# Altium PCB PowerBoard.PcbDoc (part 1 of 2) (continued)
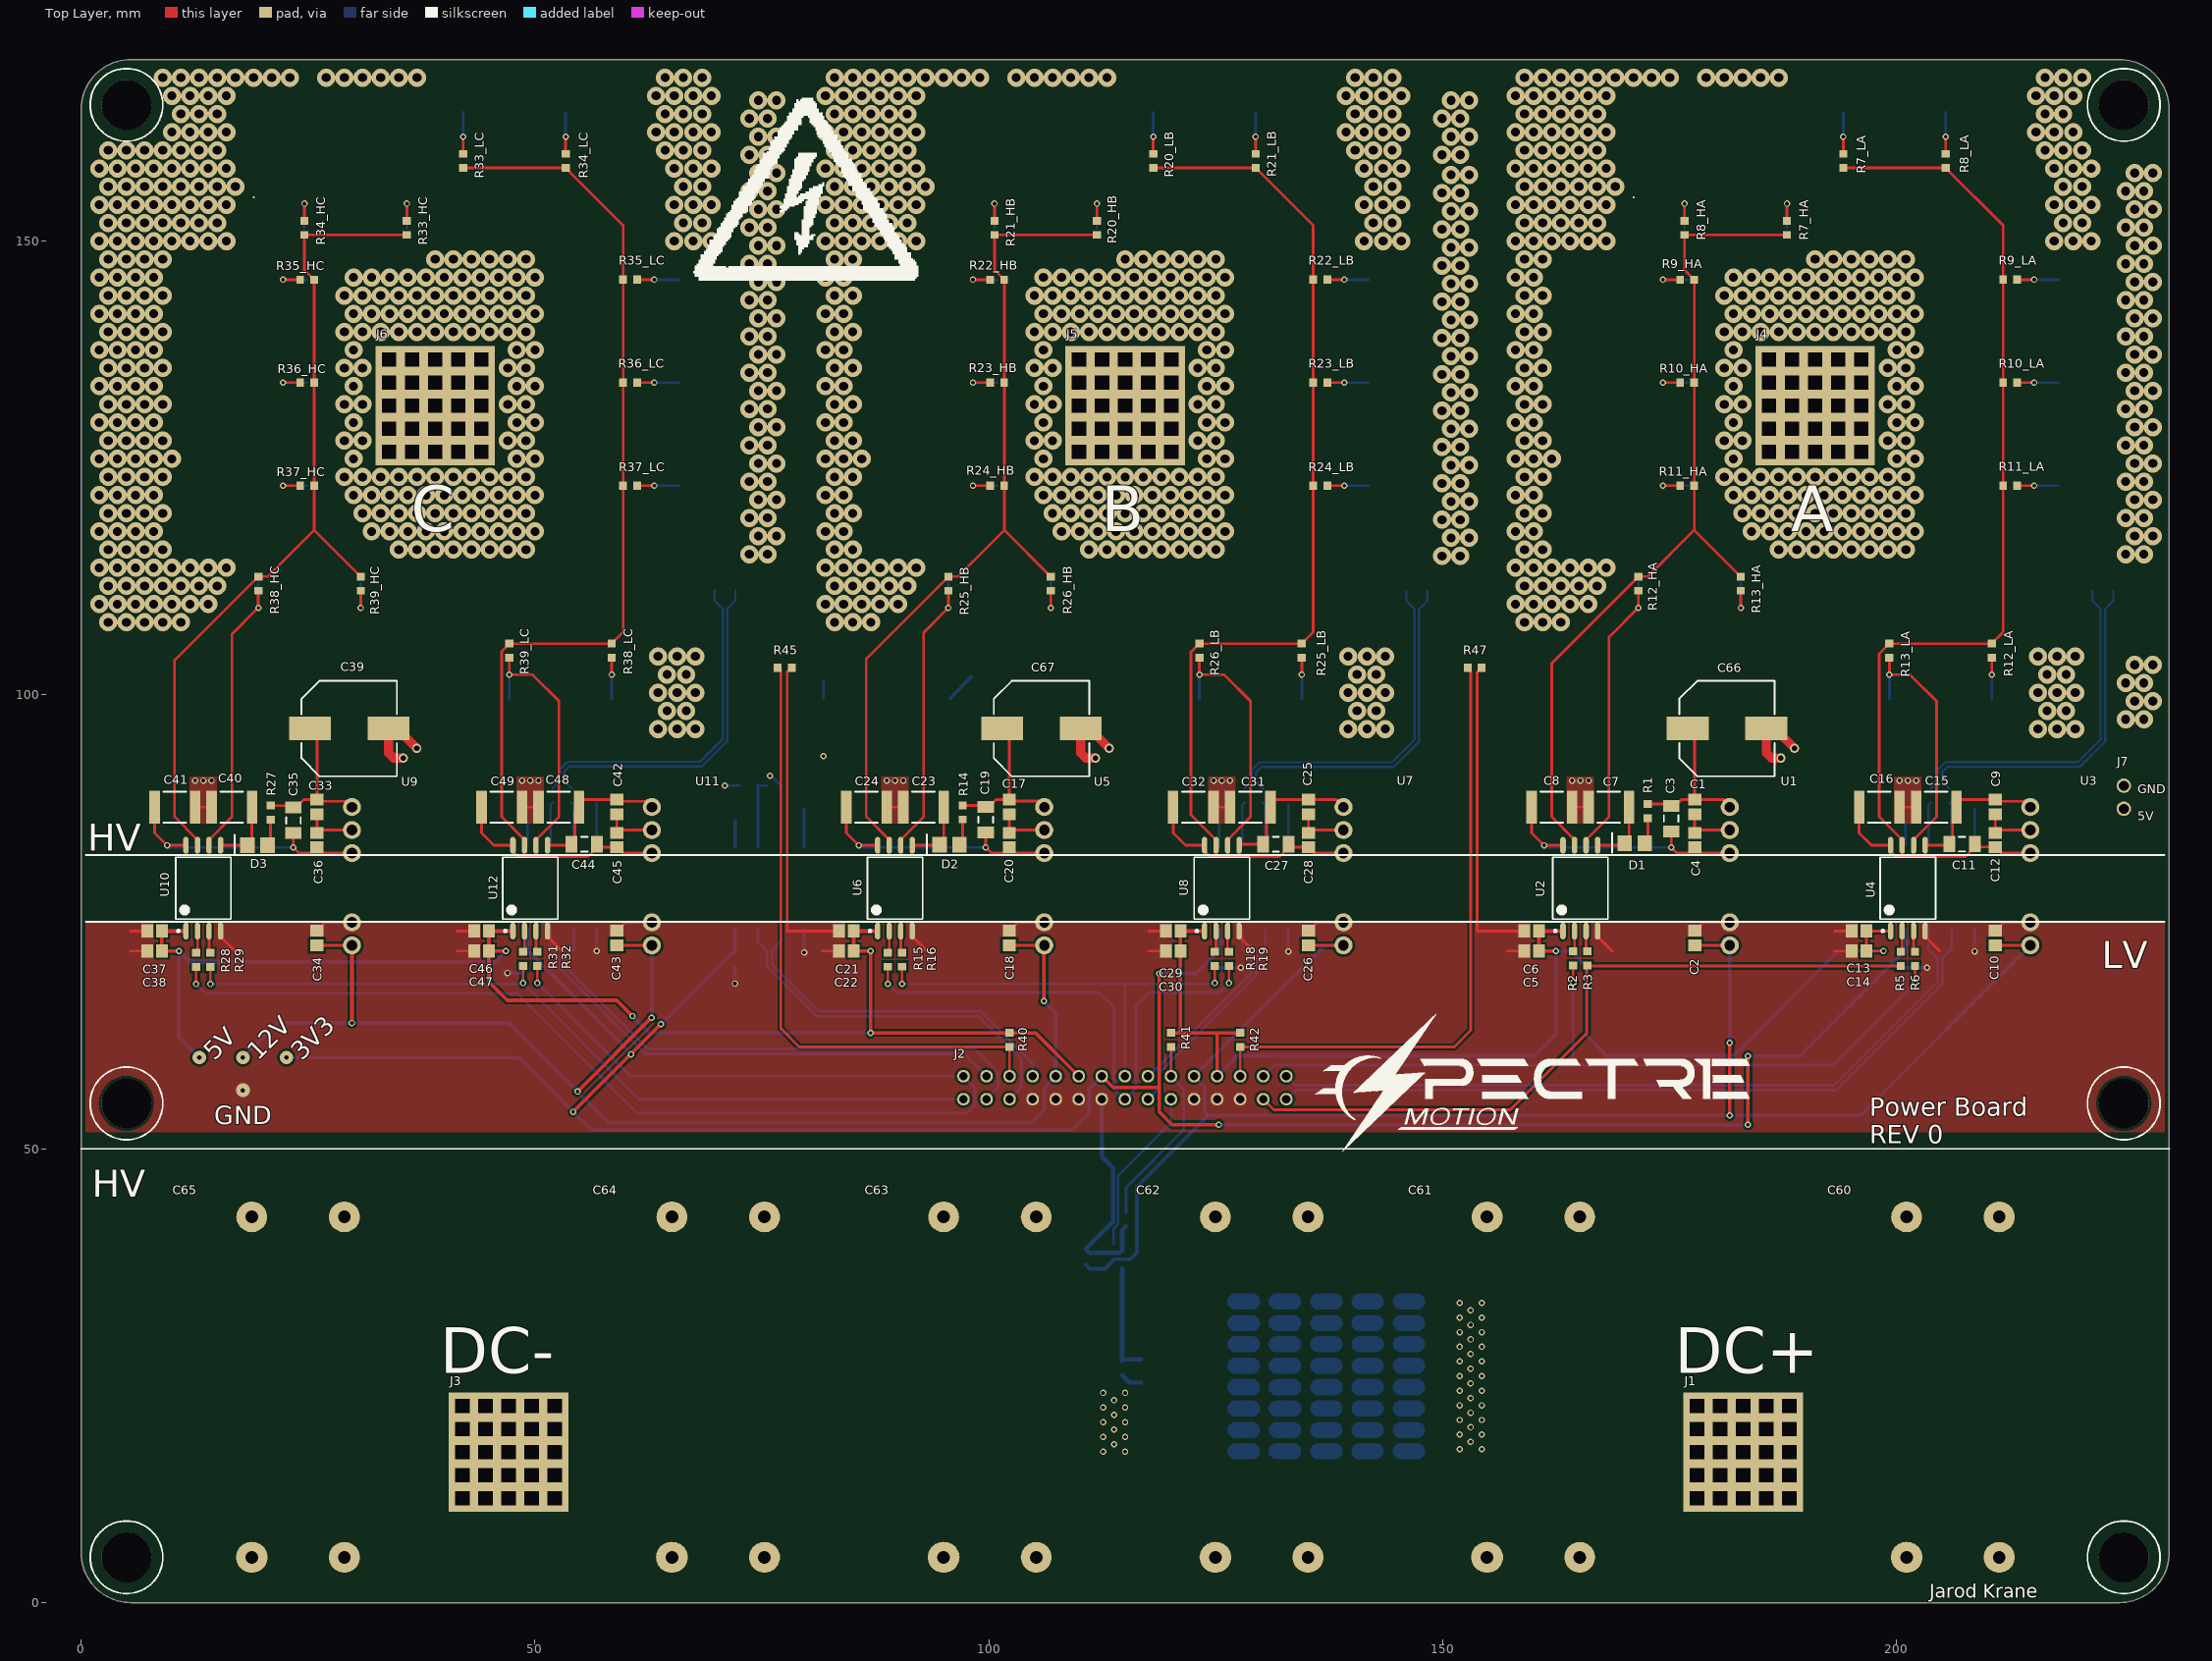
[diagram p0: Top Layer view]
## Part data (continued)
Q1_HA Q1_LA Q2_HA Q2_LA Q3_HA Q3_LA Q4_HA Q4_LA Q5_HA Q5_LA Q6_HA Q6_LA Q7_HA Q7_LA Q8_HB Q8_LB Q9_HB Q9_LB Q10_HB Q10_LB Q11_HB Q11_LB Q12_HB Q12_LB Q13_HB Q13_LB Q14_HB Q14_LB Q15_HC Q15_LC Q16_HC Q16_LC Q17_HC Q17_LC Q18_HC Q18_LC Q19_HC Q19_LC Q20_HC Q20_LC Q21_HC Q21_LC: "IGBT 600V 60A 258W D2PAK", Case/Package=TO-263-3, Collector Emitter Breakdown Voltage=600V, Collector Emitter Saturation Voltage=1.85V, Manufacturer=STMicroelectronics, Max Collector Current=60A, Max Operating Temperature=175°C, Max Power Dissipation=258W, Min Operating Temperature=-55°C, Package Quantity=1000, Supplier Part Number 1=497-15120-6-ND, Collector Emitter Voltage (VCEO)=600V, ComponentLink1Description=http://www.st.com/content/ccc/resource/technical/document/datasheet/14/ad/1c/bd/db/a9/4a/fc/DM00079435.pdf/files/DM00079435.pdf/jcr:content/translations/en.DM00079435.pdf?src-supplier=Digi-Key, ComponentLink1URL=http://www.st.com/content/ccc/resource/technical/document/datasheet/14/ad/1c/bd/db/a9/4a/fc/DM00079435.pdf/files/DM00079435.pdf/jcr:content/translations/en.DM00079435.pdf?src-supplier=Digi-Key, ComponentLink2Description=http://www.mouser.com/ds/2/389/stgb30v60df-956007.pdf?src-supplier=Mouser, ComponentLink2URL=http://www.mouser.com/ds/2/389/stgb30v60df-956007.pdf?src-supplier=Mouser, ComponentLink3Description=http://www.st.com/st-web-ui/static/active/en/resource/technical/document/datasheet/DM00079435.pdf?src-supplier=Avnet, ComponentLink3URL=http://www.st.com/st-web-ui/static/active/en/resource/technical/document/datasheet/DM00079435.pdf?src-supplier=Avnet, ComponentLink4Description=http://components.arrow.com/part/dataview/0323_06933392?src-supplier=Arrow+Europe, ComponentLink4URL=http://components.arrow.com/part/dataview/0323_06933392?src-supplier=Arrow+Europe, Element Configuration=Single, Manufacturer Part Number=STGB30V60DF, Max Breakdown Voltage=600V, Mount="Surface Mount", Packaging="Tape and Reel", Pricing 1="1=2.43, 10=2.015, 25=1.9496, 100=1.604, 500=1.358 (USD)", Reverse Recovery Time=53ns, RoHS Compliant=Yes, Stock 1=916, Supplier 1=Digi-Key, Weight=0.079014oz
Q22: "MOSFET N-CH 600V 6.5A POWERFLAT", Continuous Drain Current (ID)=6.5A, Drain to Source Voltage (Vdss)=600V, Input Capacitance=538pF, Manufacturer=STMicroelectronics, Max Operating Temperature=150°C, Max Power Dissipation=52W, Min Operating Temperature=-55°C, Supplier Part Number 1=497-16039-6-ND, ComponentLink1Description=http://www.st.com/content/ccc/resource/technical/document/datasheet/65/14/17/85/17/67/44/ac/DM00187264.pdf/files/DM00187264.pdf/jcr:content/translations/en.DM00187264.pdf?src-supplier=Digi-Key, ComponentLink1URL=http://www.st.com/content/ccc/resource/technical/document/datasheet/65/14/17/85/17/67/44/ac/DM00187264.pdf/files/DM00187264.pdf/jcr:content/translations/en.DM00187264.pdf?src-supplier=Digi-Key, ComponentLink2Description=http://www.mouser.com/ds/2/389/stl12n60m2-956130.pdf?src-supplier=Mouser, ComponentLink2URL=http://www.mouser.com/ds/2/389/stl12n60m2-956130.pdf?src-supplier=Mouser, Manufacturer Part Number=STL12N60M2, Mount="Surface Mount", Number of Pins=8, Packaging="Tape and Reel", Pricing 1="1=1.67, 10=1.491, 25=1.4156, 100=1.1628, 500=0.96056, 1000=0.8043 (USD)", Rds On Max=495mR, Stock 1=2323, Supplier 1=Digi-Key
R1 R7_HA R7_LA R8_HA R8_LA R9_HA R9_LA R10_HA R10_LA R11_HA R11_LA R12_HA R12_LA R13_HA R13_LA R14 R20_HB R20_LB R21_HB R21_LB R22_HB R22_LB R23_HB R23_LB R24_HB R24_LB R25_HB R25_LB R26_HB R26_LB R27 R33_HC R33_LC R34_HC R34_LC R35_HC R35_LC R36_HC R36_LC R37_HC R37_LC R38_HC R38_LC R39_HC R39_LC R102 R103 R104 R105 R106 R107: library part 0603-10R, "RES SMD 10 OHM 1% 1/10W 0603", Case/Package=0603, Case Code (Metric)=1608, Manufacturer=Yageo, Manufacturer Part Number=RC0603FR-0710RL, Max Operating Temperature=155°C, Min Operating Temperature=-55°C, Power Rating=100mW, Supplier Part Number 1=311-10.0HRDKR-ND, Temperature Coefficient=200ppm/°C, Tolerance=1%, Voltage Rating=50V, Case Code (Imperial)=0603, ComponentLink1Description=http://www.farnell.com/datasheets/1868787.pdf?src-supplier=Element14, ComponentLink1URL=http://www.farnell.com/datasheets/1868787.pdf?src-supplier=Element14, ComponentLink2Description=http://www.yageo.com/documents/recent/PYu-RC0603_51_RoHS_L_4.pdf?src-supplier=Avnet, ComponentLink2URL=http://www.yageo.com/documents/recent/PYu-RC0603_51_RoHS_L_4.pdf?src-supplier=Avnet, ComponentLink3Description=http://documents.rs-components.com/techlib://itc_doclist_GB.htm?stockno=5048984&src-supplier=RSComponents, ComponentLink3URL=http://documents.rs-components.com/techlib://itc_doclist_GB.htm?stockno=5048984&src-supplier=RSComponents, ComponentLink4Description=http://www.yageo.com/documents/recent/PYu-RC0603_51_RoHS_L_4.pdf?src-supplier=Avnet+Europe, ComponentLink4URL=http://www.yageo.com/documents/recent/PYu-RC0603_51_RoHS_L_4.pdf?src-supplier=Avnet+Europe, Composition="Thick Film", Contact Plating=Tin,Matte, Depth=0.8mm, Height=0.45mm, Lead Free="Lead Free", Length=1.6mm, Military Standard=Not, Number of Pins=2, Packaging="Tape and Reel", Pricing 1="1=0.1, 10=0.046, 100=0.0187, 1000=0.0084, 2500=0.00729 (USD)", Radiation Hardening=No, REACH SVHC="No SVHC", Resistance=10R, Stock 1=11151092, Supplier 1=Digi-Key, Termination=SMD/SMT, Voltage Rating (DC)=50V, Width=0.8mm
R2 R3 R5 R6 R15 R16 R18 R19 R28 R29 R31 R32: library part 0603-120R, "RES SMD 120 OHM 1% 1/10W 0603", Case/Package=0603, Case Code (Metric)=1608, Manufacturer=Yageo, Manufacturer Part Number=RC0603FR-07120RL, Max Operating Temperature=155°C, Max Power Dissipation=100mW, Min Operating Temperature=-55°C, Package Quantity=1, Supplier Part Number 1=311-120HRDKR-ND, Temperature Coefficient=100ppm/°C, Tolerance=1%, Voltage Rating=50V, Case Code (Imperial)=0603, ComponentLink1Description=http://www.yageo.com/documents/recent/PYu-RC_Group_51_RoHS_L_10.pdf?src-supplier=Digi-Key, ComponentLink1URL=http://www.yageo.com/documents/recent/PYu-RC_Group_51_RoHS_L_10.pdf?src-supplier=Digi-Key, ComponentLink2Description=http://www.farnell.com/datasheets/2167052.pdf?src-supplier=Element14, ComponentLink2URL=http://www.farnell.com/datasheets/2167052.pdf?src-supplier=Element14, ComponentLink3Description=http://www.farnell.com/datasheets/1868787.pdf?src-supplier=Element14, ComponentLink3URL=http://www.farnell.com/datasheets/1868787.pdf?src-supplier=Element14, ComponentLink4Description=http://www.farnell.com/datasheets/443971.pdf?src-supplier=Element14, ComponentLink4URL=http://www.farnell.com/datasheets/443971.pdf?src-supplier=Element14, Composition="Thick Film", Depth=0.8mm, Features="Moisture Resistant", Height=0.022inch, Lead Free="Lead Free", Length=1.6mm, Military Standard=Not, Number of Pins=2, Number of Terminations=2, Packaging="Tape and Reel", Power Rating=100mW, Pricing 1="1=0.1, 10=0.023, 100=0.0094, 1000=0.00421, 2500=0.00366 (USD)", REACH SVHC="No SVHC", Resistance=120R, Stock 1=1047274, Supplier 1=Digi-Key, Termination=SMD/SMT, Voltage Rating (DC)=50V, Width=0.031inch
R4 R17 R30: library part 3920-200uR-SHUNT, "RES SMD 200 UOHM 1% 12W 3920", Manufacturer=Bourns, Manufacturer Part Number=CSS2H-3920R-L200FE, Power=12W, Supplier Part Number 1=CSS2H-3920R-L200FEDKR-ND, ComponentLink1Description=https://www.bourns.com/docs/Product-Datasheets/css2h-3920.pdf?src-supplier=Digi-Key, ComponentLink1URL=https://www.bourns.com/docs/Product-Datasheets/css2h-3920.pdf?src-supplier=Digi-Key, Pricing 1="1=1.6, 10=1.42, 25=1.3052, 50=1.1908, 100=1.0305, 250=0.8702, 500=0.7328 (USD)", RoHS Compliant=Yes, Stock 1=420, Supplier 1=Digi-Key
R40 R41 R42 R60: library part 0603-10KR, "RES SMD 10K OHM 5% 1/10W 0603", Case/Package=0603, Case Code (Metric)=1608, Manufacturer=Yageo, Manufacturer Part Number=RC0603JR-0710KL, Max Operating Temperature=155°C, Max Power Dissipation=100mW, Min Operating Temperature=-55°C, Resistance=10kR, Supplier Part Number 1=311-10KGRDKR-ND, Temperature Coefficient=100ppm/°C, Tolerance=5%, Voltage Rating=50V, Case Code (Imperial)=0603, ComponentLink1Description=http://www.yageo.com/documents/recent/PYu-RC_Group_51_RoHS_L_10.pdf?src-supplier=Digi-Key, ComponentLink1URL=http://www.yageo.com/documents/recent/PYu-RC_Group_51_RoHS_L_10.pdf?src-supplier=Digi-Key, Composition="Thick Film", Contact Plating=Tin,Matte, Depth=0.8mm, Features="Moisture Resistant", Height - Seated (Max)=0.022inch, Lead Free="Lead Free", Length=0.063inch, Military Standard=Not, Number of Pins=2, Number of Terminations=2, Packaging="Tape and Reel", Power Rating=100mW, Pricing 1="1=0.1, 10=0.019, 100=0.0077, 1000=0.00347, 2500=0.00301 (USD)", Radiation Hardening=No, REACH SVHC=Unknown, Stock 1=3006558, Supplier 1=Digi-Key, Termination=SMD/SMT, Voltage Rating (DC)=50V, Width=0.031inch
R45 R46 R47: library part 0603-10K-thermistor, "THERMISTOR NTC 10KOHM 3380K 0603", Case/Package=0603, Case Code (Metric)=1608, Current Rating=310uA, Manufacturer=Murata, Manufacturer Part Number=NCP18XH103F03RB, Max Operating Temperature=125°C, Max Power Dissipation=100mW, Min Operating Temperature=-40°C, Package Quantity=1, Resistance=10kR, Supplier Part Number 1=490-4800-6-ND, Tolerance=1%, Accuracy=0.7%, Case Code (Imperial)=0603, ComponentLink1Description=http://www.mouser.com/ds/2/281/r44e-522712.pdf?src-supplier=Mouser, ComponentLink1URL=http://www.mouser.com/ds/2/281/r44e-522712.pdf?src-supplier=Mouser, ComponentLink2Description=http://uk.rs-online.com/webdocs/07f1/0900766b807f1e39.pdf?src-supplier=RSComponents, ComponentLink2URL=http://uk.rs-online.com/webdocs/07f1/0900766b807f1e39.pdf?src-supplier=RSComponents, ComponentLink3Description=http://www.murata.com/~/media/webrenewal/support/library/catalog/products/thermistor/ntc/r44e.ashx?src-supplier=Avnet, ComponentLink3URL=http://www.murata.com/~/media/webrenewal/support/library/catalog/products/thermistor/ntc/r44e.ashx?src-supplier=Avnet, ComponentLink4Description=https://www.verical.com/server-webapp/html/getDatasheet?partID=153236&src-supplier=Verical, ComponentLink4URL=https://www.verical.com/server-webapp/html/getDatasheet?partID=153236&src-supplier=Verical, ComponentLink5Description=https://www.murata.com/~/media/webrenewal/support/library/catalog/products/thermistor/ntc/r44e.ashx?la=en-us&src-supplier=Digi-Key, ComponentLink5URL=https://www.murata.com/~/media/webrenewal/support/library/catalog/products/thermistor/ntc/r44e.ashx?la=en-us&src-supplier=Digi-Key, ComponentLink6Description=http://search.murata.co.jp/Ceramy/image/img/w_hinm/L0770E.pdf?src-supplier=Future+Electronics, ComponentLink6URL=http://search.murata.co.jp/Ceramy/image/img/w_hinm/L0770E.pdf?src-supplier=Future+Electronics, ComponentLink7Description=http://search.murata.co.jp/Ceramy/image/img/w_hinm/L0770E.pdf?src-supplier=Avnet+Europe, ComponentLink7URL=http://search.murata.co.jp/Ceramy/image/img/w_hinm/L0770E.pdf?src-supplier=Avnet+Europe, Depth=0.8mm, Height=0.8mm, Lead Free="Lead Free", Length=1.6mm, Mount="Surface Mount", Number of Pins=2, Number of Terminals=2, Packaging="Tape and Reel", Power Rating=100mW, Pricing 1="1=0.24, 5=0.23, 10=0.204, 25=0.1876, 50=0.15, 100=0.1286, 500=0.1125, 1000=0.09643 (USD)", Radiation Hardening=No, REACH SVHC="No SVHC", Stock 1=66922, Supplier 1=Digi-Key, Termination=SMD/SMT
R50: library part 0603-200KR, "RES SMD 200K OHM 1% 1/10W 0603", Case/Package=0603, Manufacturer=Yageo, Manufacturer Part Number=AF0603FR-07200KL, Max Operating Temperature=155°C, Max Power Dissipation=100mW, Min Operating Temperature=-55°C, Resistance=200kR, Resistor Type="Thick Film", Supplier Part Number 1=13-AF0603FR-07200KLDKR-ND, Temperature Coefficient=100ppm/°C, Tolerance=1%, ComponentLink1Description=http://www.yageo.com/documents/recent/PYu-AF_51_RoHS_L_5.pdf?src-supplier=Digi-Key, ComponentLink1URL=http://www.yageo.com/documents/recent/PYu-AF_51_RoHS_L_5.pdf?src-supplier=Digi-Key, Features="Moisture Resistant,Anti-Sulfur", Height=0.022inch, Length=0.063inch, Number of Terminations=2, Packaging="Tape and Reel", Pricing 1="1=0.1, 10=0.061, 100=0.0247, 1000=0.01109, 2500=0.00963 (USD)", RoHS Compliant=Yes, Stock 1=4721, Supplier 1=Digi-Key, Width=0.031inch
R51: library part 0603-2KR, "RES SMD 2K OHM 1% 1/4W 0603", Case/Package=0603, Case Code (Metric)=1608, Manufacturer="Vishay Dale", Manufacturer Part Number=CRCW06032K00FKEAHP, Max Operating Temperature=155°C, Max Power Dissipation=250mW, Min Operating Temperature=-55°C, Package Quantity=10, Resistance=2kR, Supplier Part Number 1=541-2.00KSDKR-ND, Temperature Coefficient=100ppm/°C, Tolerance=1%, Voltage Rating=75V, Case Code (Imperial)=0603, ComponentLink1Description=http://www.vishay.com/docs/20043/crcwhpe3.pdf?src-supplier=Digi-Key, ComponentLink1URL=http://www.vishay.com/docs/20043/crcwhpe3.pdf?src-supplier=Digi-Key, Composition="Thick Film", Contact Plating=Tin, Depth=0.85mm, Features="Automotive AEC-Q200", Height=0.45mm, Lead Free="Lead Free", Length=1.6mm, Military Standard=Not, Mount="Surface Mount", Number of Terminations=2, Packaging="Tape and Reel", Power Rating=250mW, Pricing 1="1=0.17, 10=0.142, 100=0.0553, 1000=0.02317, 2500=0.02124 (USD)", Radiation Hardening=No, Stock 1=23723, Supplier 1=Digi-Key, Termination=Solder, Weight=7.1E-05oz, Width=0.033inch
R52 R53 R54 R55 R56 R57 R58 R59 R61 R62 R63 R64 R65 R66 R67 R68 R70 R71 R72 R73 R74 R75 R76 R77 R78 R79 R80 R81 R82 R83 R84 R85 R86 R87 R88 R89 R90 R91 R92 R93 R94 R95 R96 R97 R98 R99 R100 R101: library part 1206-10KR, "RES SMD 10K OHM 1% 3/4W 1206", Case/Package=1206, Case Code (Metric)=3216, Manufacturer="Vishay Dale", Manufacturer Part Number=RCA120610K0FKEAHP, Max Operating Temperature=155°C, Max Power Dissipation=750mW, Min Operating Temperature=-55°C, Resistance=10kR, Resistor Type="Thick Film", Supplier Part Number 1=541-3251-6-ND, Temperature Coefficient=100ppm/°C, Tolerance=1%, Case Code (Imperial)=1206, ComponentLink1Description=http://www.vishay.com/docs/20067/rcahp.pdf?src-supplier=Digi-Key, ComponentLink1URL=http://www.vishay.com/docs/20067/rcahp.pdf?src-supplier=Digi-Key, Features="Automotive AEC-Q200,Anti-Sulfur", Number of Terminations=2, Packaging="Tape and Reel", Pricing 1="1=0.52, 10=0.369, 100=0.1919, 1000=0.10332, 2500=0.09963 (USD)", RoHS Compliant=Yes, Stock 1=6454, Supplier 1=Digi-Key
U1 U3 U5 U7 U9 U11: library part 15V/-8.7V, "Isolated Module DC DC Converter Output 15V -8.7V - 80mA, 40mA 10.8V - 13.2V Input", Case/Package=SIP, Current - Output 1=80mA, Current - Output 2=40mA, Isolation Voltage=5.2kV, Manufacturer=Murata, Max Input Voltage=13.2V, Max Operating Temperature=100°C, Max Output Power=2W, Min Input Voltage=10.8V, Min Operating Temperature=-40°C, Nominal Input Voltage=12V, Output Voltage=15V, Package Quantity=25, Supplier Part Number 1=811-3002-5-ND, Voltage - Output 2=-8.7V, ComponentLink1Description=http://www.farnell.com/datasheets/1965123.pdf?src-supplier=Element14, ComponentLink1URL=http://www.farnell.com/datasheets/1965123.pdf?src-supplier=Element14, ComponentLink2Description=http://power.murata.com/data/power/ncl/kdc_mgj2.pdf?src-supplier=Avnet, ComponentLink2URL=http://power.murata.com/data/power/ncl/kdc_mgj2.pdf?src-supplier=Avnet, Depth=12.65mm, Efficiency=80%, Features=SCP, Height=0.5inch, Length=0.77inch, Manufacturer Part Number=MGJ2D121509SC, Max Input Voltage (DC)=13.2V, Max Output Current=40mA, Max Power Dissipation=2W, Min Input Voltage (DC)=10.8V, Mount="Through Hole", Number of Outputs=2, Number of Pins=5, Output Current=80mA, Output Power=2W, Packaging=Rail/Tube, Pricing 1="1=8.46, 5=8.42, 10=8.36, 25=8.27, 50=8.06, 100=7.66, 250=7.17, 500=6.68, 1000=6.65 (USD)", Radiation Hardening=No, REACH SVHC="No SVHC", RoHS Compliant=Yes, Stock 1=371, Supplier 1=Digi-Key, Voltage - Output 1=15V, Weight=0.151678oz, Width=0.39inch
U2 U4 U6 U8 U10 U12: "GALVANICALLY ISOLATED 4 A SINGLE GATE DRIVER", Manufacturer=Samtec, Manufacturer Part Number=ERF8-010-07.0-L-DV-L-K-TR, Supplier Part Number 1=497-STGAP2HSMDKR-ND, Pricing 1="1=3.01, 10=2.699, 25=2.5516, 100=2.2113, 250=2.09788, 500=1.88242 (USD)", Stock 1=498, Supplier 1=Digi-Key
U13 U14 U15 U16: library part ISO-OPAMP, "IC OPAMP ISOLATION 1 CIRC 8SOP", Case/Package=SOP, Dual Supply Voltage=5V, Input Offset Voltage (Vos)=200uV, Manufacturer="Texas Instruments", Max Dual Supply Voltage=5.5V, Max Input Voltage=320mV, Max Operating Temperature=105°C, Max Power Dissipation=44mW, Min Operating Temperature=-40°C, Nominal Supply Current=5.4mA, Output Current=20mA, Package Quantity=350, Power Consumption=82.5mW, Power Supply Rejection Ratio (PSRR)=61dB, Supplier Part Number 1=296-38868-6-ND, -3db Bandwidth=100kHz, Amplifier Type=ISOLATION, Bandwidth=100kHz, Common Mode Rejection Ratio=95dB, ComponentLink1Description=http://www.ti.com/general/docs/lit/getliterature.tsp?genericPartNumber=AMC1200&&fileType=pdf&src-supplier=Avnet, ComponentLink1URL=http://www.ti.com/general/docs/lit/getliterature.tsp?genericPartNumber=AMC1200&&fileType=pdf&src-supplier=Avnet, ComponentLink2Description=http://www.ti.com/lit/ds/symlink/amc1200.pdf?src-supplier=Digi-Key, ComponentLink2URL=http://www.ti.com/lit/ds/symlink/amc1200.pdf?src-supplier=Digi-Key, Lead Free="Lead Free", Manufacturer Part Number=AMC1200BDUBR, Mount="Surface Mount", Number of Channels=1, Number of Circuits=1, Number of Elements=1, Number of Pins=8, Operating Supply Current=5.4mA, Operating Supply Voltage=5.5V, Output Current per Channel=20mA, Packaging="Tape and Reel", Power Dissipation=44mW, Pricing 1="1=4.92, 10=4.415, 25=4.1736, 100=3.6172 (USD)", RoHS Compliant=Yes, Series=-, Stock 1=0, Supplier 1=Digi-Key, Supply Current=5.4mA
U18: "IC INVERTER 1CH 1-INP 5SSOP", Case/Package=SSOP, High Level Output Current=3.4mA, Manufacturer=Rohm, Manufacturer Part Number=BU4SU69G2-TR, Max Operating Temperature=85°C, Max Supply Voltage=16V, Min Operating Temperature=-40°C, Min Supply Voltage=3V, Package Quantity=1, Quiescent Current=1uA, Supplier Part Number 1=BU4SU69G2DKR-ND, ComponentLink1Description=http://www.mouser.com/ds/2/348/bu4su69g2-e-962457.pdf?src-supplier=Mouser, ComponentLink1URL=http://www.mouser.com/ds/2/348/bu4su69g2-e-962457.pdf?src-supplier=Mouser, ComponentLink2Description=http://rohmfs.rohm.com/en/products/databook/datasheet/ic/logic_switch/standard_logic/bu4s01g2-e.pdf?src-supplier=Avnet, ComponentLink2URL=http://rohmfs.rohm.com/en/products/databook/datasheet/ic/logic_switch/standard_logic/bu4s01g2-e.pdf?src-supplier=Avnet, ComponentLink3Description=https://www.verical.com/server-webapp/html/getDatasheet?partID=458866&src-supplier=Verical, ComponentLink3URL=https://www.verical.com/server-webapp/html/getDatasheet?partID=458866&src-supplier=Verical, ComponentLink4Description=http://rohmfs.rohm.com/en/techdata_basic/ic/package/ssop5_1-e.pdf?src-supplier=Digi-Key, ComponentLink4URL=http://rohmfs.rohm.com/en/techdata_basic/ic/package/ssop5_1-e.pdf?src-supplier=Digi-Key, ComponentLink5Description=http://rohmfs.rohm.com/en/products/databook/datasheet/ic/logic_switch/standard_logic/bu4su69g2-e.pdf?src-supplier=Digi-Key, ComponentLink5URL=http://rohmfs.rohm.com/en/products/databook/datasheet/ic/logic_switch/standard_logic/bu4su69g2-e.pdf?src-supplier=Digi-Key, ComponentLink6Description=https://produktinfo.conrad.com/datenblaetter/125000-149999/140507-da-01-en-IC_BU4SU69G2_TR_SSOP5.pdf?src-supplier=Conrad, ComponentLink6URL=https://produktinfo.conrad.com/datenblaetter/125000-149999/140507-da-01-en-IC_BU4SU69G2_TR_SSOP5.pdf?src-supplier=Conrad, Contact Plating=Copper,Tin, Lead Free="Lead Free", Logic Function=Inverter, Low Level Output Current=3.4mA, Mount="Surface Mount", Number of Circuits=1, Number of Elements=1, Number of Functions=1, Number of Gates=1, Number of Inputs=1, Number of Pins=5, Packaging="Tape and Reel", Pricing 1="1=0.89, 10=0.781, 25=0.7336, 100=0.5986, 250=0.556, 500=0.47318, 1000=0.37855 (USD)", Propagation Delay=25ns, Radiation Hardening=No, RoHS Compliant=Yes, Series=4S, Stock 1=2901, Supplier 1=Digi-Key, Supply Voltage-Nom=16V, Technology=CMOS, Turn-On Delay Time=25ns

## Free pads (board coordinates)
  round 5.5 hole 5.5 unplated: 0(5,5) 0(5,55) 0(5,165) 0(225,5) 0(225,55) 0(225,165)

## Via types
v1: diameter 2, hole 1, Top Layer to Bottom Layer, tented both sides, 1060 vias
v2: diameter 0.7, hole 0.4, Top Layer to Bottom Layer, tented both sides, 153 vias
v3: diameter 1, hole 0.6, Top Layer to Bottom Layer, tented both sides, 6 vias
v4: diameter 1.5, hole 0.5, Top Layer to Bottom Layer, 4 vias

## Nets (pads, with @x,y where several pads share a name; then routed paths per layer and width w, separated by ;. In a path a pad name is that pad's centre, name@x,y a point inside that pad or via, vN(x,y) a via of type N, cw(c..) or ccw(c..) an arc to the next point about the centre after c; other vN are vias at no path point)
3V3: C51.2 C53.2 C55.2 C57.2 J2.17 U13.8 U14.8 U15.8 U16.8 | length 273.5
  Top Layer w0.4: v2(54.2,54.075) v2(63.85,63.725) ; J2.17@112.43,58 113.68,56.75 118.75,56.75 ; v2(118.75,69.3) 118.75,56.75 ; v2(125.325,52.65) 120.175,52.65 118.75,54.075 118.75,56.75 ; v2(183.6,52.65) v2(183.6,60.225)
  Bottom Layer w0.4: v4(22.625,60.05) 48.225,60.05 v2(54.2,54.075) 56.225,52.05 109.1,52.05 111.025,53.975 111.025,56.595 J2.17@112.43,58 ; C57.2@49.165,71.546 49.506,71.546 60.575,60.477 v2(60.575,60.4) ; C57.2@49.165,71.6 U16.8@49.165,74.115 U16.8@49.165,74.265 ; v2(63.85,63.725) 71.671,71.546 C51.2@72.02,71.546 U13.8@72.02,74.115 ; v2(118.75,69.3) 122.775,69.3 125.021,71.546 C55.2@125.365,71.546 U15.8@125.365,74.115 U15.8@125.365,74.211 ; v2(125.325,52.65) v2(183.6,52.65) ; v2(183.6,60.225) 189.279,60.225 200.6,71.546 C53.2@200.941,71.546 ; C53.2@200.941,71.568 U14.8@200.941,74.115 U14.8@200.941,74.233
5V: C5.2 C6.2 C13.2 C14.2 C21.2 C22.2 C29.2 C30.2 C37.2 C38.2 C46.2 C47.2 J2.7 J2.19 R40.2 R41.2 R42.2 U2.1 U4.1 U6.1 U8.1 U10.1 U12.1 | length 290
  Top Layer w0.3: v2(198.537,71.786) C14.2@196.651,71.786 C13.2@196.651,73.986 U4.1@199.306,73.986
  Top Layer w0.4: v2(10.786,71.786) C38.2@8.9,71.786 C37.2@8.9,73.986 U10.1@11.555,73.986 ; v2(46.801,71.786) C47.2@44.915,71.786 ; U12.1@47.57,73.986 C46.2@44.915,73.986 C47.2@44.915,71.786 ; v2(60.725,64.625) 59,66.35 46.95,66.35 44.915,68.385 C47.2@44.915,71.786 ; U6.1@87.745,73.986 C21.2@85.09,73.986 C22.2@85.09,71.786 v2(86.976,71.786) 86.95,71.76 v2(86.95,62.75) 86.975,62.775 R40.2@102.27,62.775 105.115,62.775 J2.19@109.89,58 ; R41.2@120.05,62.775 121.125,62.775 ; U8.1@123.745,73.986 C29.2@121.09,73.986 C30.2@121.09,71.786 121.09,62.81 121.125,62.775 ; J2.7@125.13,58 125.13,62.755 125.15,62.775 ; R42.2@127.67,62.775 125.15,62.775 ; v2(162.462,71.786) C5.2@160.576,71.786 C6.2@160.576,73.986 U2.1@163.231,73.986 ; 121.125,62.775 125.15,62.775
  Bottom Layer w0.4: v4@12.975,60 v4@13.025,59.95 ; v4(13.025,60.05) 10.786,62.289 v2(10.786,71.786) 11.997,70.575 45.59,70.575 v2(46.801,71.786) ; v2(60.725,64.625) 62.6,62.75 v2(86.95,62.75) ; J2.7@125.13,58 127.38,60.25 160.1,60.25 162.462,62.612 v2(162.462,71.786) 164.114,71.786 165.8,70.1 165.8,62.5 168.05,60.25 182.013,60.25 193.549,71.786 v2(198.537,71.786)
12V: C2.2 C10.2 C18.2 C26.2 C34.2 C43.2 C59.2 J2.9 J2.21 U1.1 U3.1 U5.1 U7.1 U9.1 U11.1 U18.5 | length 334.9
  Top Layer w0.3: C34.2@25.985,72.412 U9.1@29.835,72.412 ; C43.2@59.02,72.412 U11.1@62.87,72.412 ; C18.2@102.24,72.412 U5.1@106.09,72.412 U5.1@106.05,72.372 ; C26.2@135.195,72.412 U7.1@139.045,72.412 ; C2.2@177.747,72.412 U1.1@181.597,72.412 ; C10.2@210.846,72.418 210.852,72.412 U3.1@214.706,72.412
  Top Layer w0.4: v2(29.835,63.865) U9.1@29.835,72.412 ; v2(54.683,56.308) v2(62.825,64.45) ; v2(106.05,66.275) U5.1@106.05,72.372 ; v2(181.597,53.675) v2(181.597,61.675)
  Bottom Layer w0.3: U1.1@181.45,72.265 U1.1@181.597,72.412
  Bottom Layer w0.4: v4(17.825,60.05) 21.64,63.865 v2(29.835,63.865) 47.125,63.865 v2(54.683,56.308) 58.14,52.85 104.635,52.85 106.1,54.315 106.1,56.75 J2.21@107.35,58 107.35,64.975 v2(106.05,66.275) ; v2@62.87,64.495 U11.1@62.87,72.412 ; C59.2@110.645,37.26 111.12,36.785 U18.5@112.775,36.785 113.815,37.825 115.575,37.825 116.3,38.55 116.3,45.825 124.15,53.675 ; U7.1@139.045,72.412 137.002,72.412 J2.9@122.59,58 123.775,56.815 123.775,54.05 124.15,53.675 ; v2(181.597,61.675) U1.1@181.597,72.412 ; U3.1@214.706,72.412 195.969,53.675 v2(181.597,53.675) 124.15,53.675
A-HI-CLAMP: Q1_HA.1 Q2_HA.1 Q3_HA.1 Q4_HA.1 Q5_HA.1 Q6_HA.1 Q7_HA.1 R7_HA.2 R8_HA.2 R9_HA.2 R10_HA.2 R11_HA.2 R12_HA.2 R13_HA.2 U2.6 | length 128.4
  Top Layer w0.3: U2.6@165.771,83.436 165.771,84.049 168.297,86.575 168.297,106.366 v2(171.53,109.599) R12_HA.2@171.53,111.485 ; v2(174.239,123.06) R11_HA.2@176.125,123.06 ; v2(174.239,134.4) R10_HA.2@176.125,134.4 ; v2(174.239,145.74) R9_HA.2@176.125,145.74 ; R8_HA.2@176.61,152.235 v2(176.61,154.121) ; v2(182.813,109.599) R13_HA.2@182.813,111.485 ; R7_HA.2@187.893,152.235 v2(187.893,154.121)
  PWR w0.254: v2(171.53,109.599) 174.249,109.599 ; v2(182.813,109.599) 174.249,109.599 ; v2(187.893,154.121) v2(176.61,154.121) 174.249,151.76 174.249,145.74 174.249,134.4 174.249,123.06 174.249,109.599
  Bottom Layer w0.3: v2(171.53,109.599) Q6_HA.1@171.53,112.26 ; v2(174.239,123.06) Q5_HA.1@176.9,123.06 ; v2(174.239,134.4) Q4_HA.1@176.9,134.4 ; v2(174.239,145.74) Q3_HA.1@176.9,145.74 ; Q2_HA.1@176.61,151.46 v2(176.61,154.121) ; v2(182.813,109.599) Q7_HA.1@182.813,112.26 ; Q1_HA.1@187.893,151.46 v2(187.893,154.121)
A-HI-GATE: R7_HA.1 R8_HA.1 R9_HA.1 R10_HA.1 R11_HA.1 R12_HA.1 R13_HA.1 U2.7 | length 94.4
  Top Layer w0.3: U2.7@164.501,83.436 164.501,84.049 161.975,86.575 161.975,103.48 R12_HA.1@171.53,113.035 172.557,113.035 177.685,118.163 ; R13_HA.1@182.813,113.035 177.685,118.163 ; R7_HA.1@187.893,150.685 R8_HA.1@176.61,150.685 176.61,146.815 177.685,145.74 177.685,118.163
A-HIGH: J2.3 R2.1 R6.1 | length 88.9
  Top Layer w0.3: v2(164.351,68.325) R2.1@164.351,70.211 ; v2(201.996,68.257) R6.1@201.996,70.143
  Bottom Layer w0.3: J2.3@130.21,58 131.435,59.225 134.075,59.225 163.177,59.225 164.351,59.225 ; v2(164.351,68.325) 164.351,59.225 ; v2(201.996,68.257) 192.964,59.225 164.351,59.225
A-LO-CLAMP: Q1_LA.1 Q2_LA.1 Q3_LA.1 Q4_LA.1 Q5_LA.1 Q6_LA.1 Q7_LA.1 R7_LA.2 R8_LA.2 R9_LA.2 R10_LA.2 R11_LA.2 R12_LA.2 R13_LA.2 U4.6 | length 145.4
  Top Layer w0.3: R7_LA.2@194.097,159.613 v2(194.097,161.499) ; R13_LA.2@199.177,104.107 v2(199.177,102.221) 201.465,102.221 204.372,99.314 204.372,86.575 201.846,84.049 U4.6@201.846,83.436 ; R8_LA.2@205.38,159.613 v2(205.38,161.499) ; v2(210.46,102.221) R12_LA.2@210.46,104.107 ; R11_LA.2@213.263,123.06 v2(215.139,123.06) v2@215.149,123.06 ; R10_LA.2@213.263,134.4 v2(215.139,134.4) v2@215.149,134.4 ; R9_LA.2@213.263,145.74 v2(215.139,145.74) v2@215.149,145.74
  GND w0.254: v2(194.097,161.499) v2(205.38,161.499) 209.436,161.499 215.149,155.786 215.149,106.91 v2(210.46,102.221) v2(199.177,102.221)
  Bottom Layer w0.3: v2(194.097,161.499) Q1_LA.1@194.097,164.16 ; Q7_LA.1@199.177,99.56 v2(199.177,102.221) ; v2(205.38,161.499) Q2_LA.1@205.38,164.16 ; Q6_LA.1@210.46,99.56 v2(210.46,102.221) ; v2(215.139,123.06) Q5_LA.1@217.8,123.06 ; v2(215.139,134.4) Q4_LA.1@217.8,134.4 ; v2(215.139,145.74) Q3_LA.1@217.8,145.74
A-LO-GATE: R7_LA.1 R8_LA.1 R9_LA.1 R10_LA.1 R11_LA.1 R12_LA.1 R13_LA.1 U4.7 | length 101.8
  Top Layer w0.3: R7_LA.1@194.075,158.053 R8_LA.1@205.375,158.053 211.703,151.725 211.703,106.9 R12_LA.1@210.45,105.647 R13_LA.1@199.175,105.647 198.05,104.522 198.05,86.575 200.576,84.049 U4.7@200.576,83.436
A-LOW: J2.4 R3.1 R5.1 | length 81.7
  Top Layer w0.3: J2.4@130.21,55.46 131.37,54.3 157.425,54.3 165.85,62.725 165.85,70.14 165.853,70.143 R3.1@165.921,70.143 ; R3.1@165.921,70.211 R3.1@165.921,70.143 ; R5.1@200.426,70.143 R3.1@165.921,70.143
B-HI-CLAMP: Q8_HB.1 Q9_HB.1 Q10_HB.1 Q11_HB.1 Q12_HB.1 Q13_HB.1 Q14_HB.1 R20_HB.2 R21_HB.2 R22_HB.2 R23_HB.2 R24_HB.2 R25_HB.2 R26_HB.2 U6.6 | length 128.2
  Top Layer w0.3: U6.6@90.285,83.436 90.285,84.049 92.811,86.575 92.811,106.88 v2(95.53,109.599) R25_HB.2@95.53,111.485 ; v2(98.239,123.06) R24_HB.2@100.125,123.06 ; v2(98.239,134.4) R23_HB.2@100.125,134.4 ; v2(98.239,145.74) R22_HB.2@100.125,145.74 ; R21_HB.2@100.61,152.235 v2(100.61,154.121) ; v2(106.813,109.599) R26_HB.2@106.813,111.485 ; R20_HB.2@111.893,152.235 v2(111.893,154.121)
  PWR w0.254: v2(95.53,109.599) 98.249,109.599 ; v2(106.813,109.599) 98.249,109.599 ; v2(111.893,154.121) v2(100.61,154.121) 98.249,151.76 98.249,145.74 98.249,134.4 98.249,123.06 98.249,109.599
  Bottom Layer w0.3: v2(95.53,109.599) Q13_HB.1@95.53,112.26 ; v2(98.239,123.06) Q12_HB.1@100.9,123.06 ; v2(98.239,134.4) Q11_HB.1@100.9,134.4 ; v2(98.239,145.74) Q10_HB.1@100.9,145.74 ; Q9_HB.1@100.61,151.46 v2(100.61,154.121) ; v2(106.813,109.599) Q14_HB.1@106.813,112.26 ; Q8_HB.1@111.893,151.46 v2(111.893,154.121)
B-HI-GATE: R20_HB.1 R21_HB.1 R22_HB.1 R23_HB.1 R24_HB.1 R25_HB.1 R26_HB.1 U6.7 | length 94.2
  Top Layer w0.3: U6.7@89.015,83.436 89.015,84.049 86.489,86.575 86.489,103.995 R25_HB.1@95.53,113.035 96.557,113.035 101.685,118.163 ; R26_HB.1@106.813,113.035 101.685,118.163 ; R20_HB.1@111.893,150.685 R21_HB.1@100.61,150.685 100.61,146.815 101.685,145.74 101.685,118.163
B-HIGH: J2.16 R15.1 R19.1 | length 62.5
  Top Layer w0.3: v2(88.865,68.175) R15.1@88.865,70.061 ; v2(126.435,68.257) R19.1@126.435,70.143
  Bottom Layer w0.3: v2(88.865,68.175) 89.815,67.225 112.15,67.225 113.75,65.625 113.75,56.68 J2.16@114.97,55.46 116.19,56.68 116.19,65.74 117.675,67.225 125.403,67.225 v2(126.435,68.257)
B-LO-CLAMP: Q8_LB.1 Q9_LB.1 Q10_LB.1 Q11_LB.1 Q12_LB.1 Q13_LB.1 Q14_LB.1 R20_LB.2 R21_LB.2 R22_LB.2 R23_LB.2 R24_LB.2 R25_LB.2 R26_LB.2 U8.6 | length 145.8
  Top Layer w0.3: R20_LB.2@118.096,159.613 v2(118.096,161.499) ; R26_LB.2@123.176,104.107 v2(123.176,102.221) 125.904,102.221 128.811,99.314 128.811,86.575 126.285,84.049 U8.6@126.285,83.436 ; R21_LB.2@129.38,159.613 v2(129.38,161.499) ; v2(134.46,102.221) R25_LB.2@134.46,104.107 ; R24_LB.2@137.263,123.06 v2(139.139,123.06) v2@139.149,123.06 ; R23_LB.2@137.263,134.4 v2(139.139,134.4) v2@139.149,134.4 ; R22_LB.2@137.263,145.74 v2(139.139,145.74) v2@139.149,145.74
  GND w0.254: v2(118.096,161.499) v2(129.38,161.499) 133.436,161.499 139.149,155.786 139.149,106.91 v2(134.46,102.221) v2(123.176,102.221)
  Bottom Layer w0.3: v2(118.096,161.499) Q8_LB.1@118.096,164.16 ; Q14_LB.1@123.176,99.56 v2(123.176,102.221) ; v2(129.38,161.499) Q9_LB.1@129.38,164.16 ; Q13_LB.1@134.46,99.56 v2(134.46,102.221) ; v2(139.139,123.06) Q12_LB.1@141.8,123.06 ; v2(139.139,134.4) Q11_LB.1@141.8,134.4 ; v2(139.139,145.74) Q10_LB.1@141.8,145.74
B-LO-GATE: R20_LB.1 R21_LB.1 R22_LB.1 R23_LB.1 R24_LB.1 R25_LB.1 R26_LB.1 U8.7 | length 101.9
  Top Layer w0.3: R20_LB.1@118.075,158.053 R20_LB.1@118.1,158.053 R21_LB.1@129.375,158.053 135.703,151.725 135.703,106.9 R25_LB.1@134.45,105.647 R26_LB.1@123.175,105.647 122.25,104.722 122.25,86.814 125.015,84.049 U8.7@125.015,83.436